# Altium PCB MPPT.PcbDoc (part 2 of 2)
Units mm, origin at the board's own origin, x right, y up, seen from the top; angles counter-clockwise.
Board outline 185.29 x 120.02 mm, 4 copper layers (Top, PWR_GND, GND, Bottom), stack 0.672 mm thick; 128 components, 72 nets, 445 pads, 162 vias.
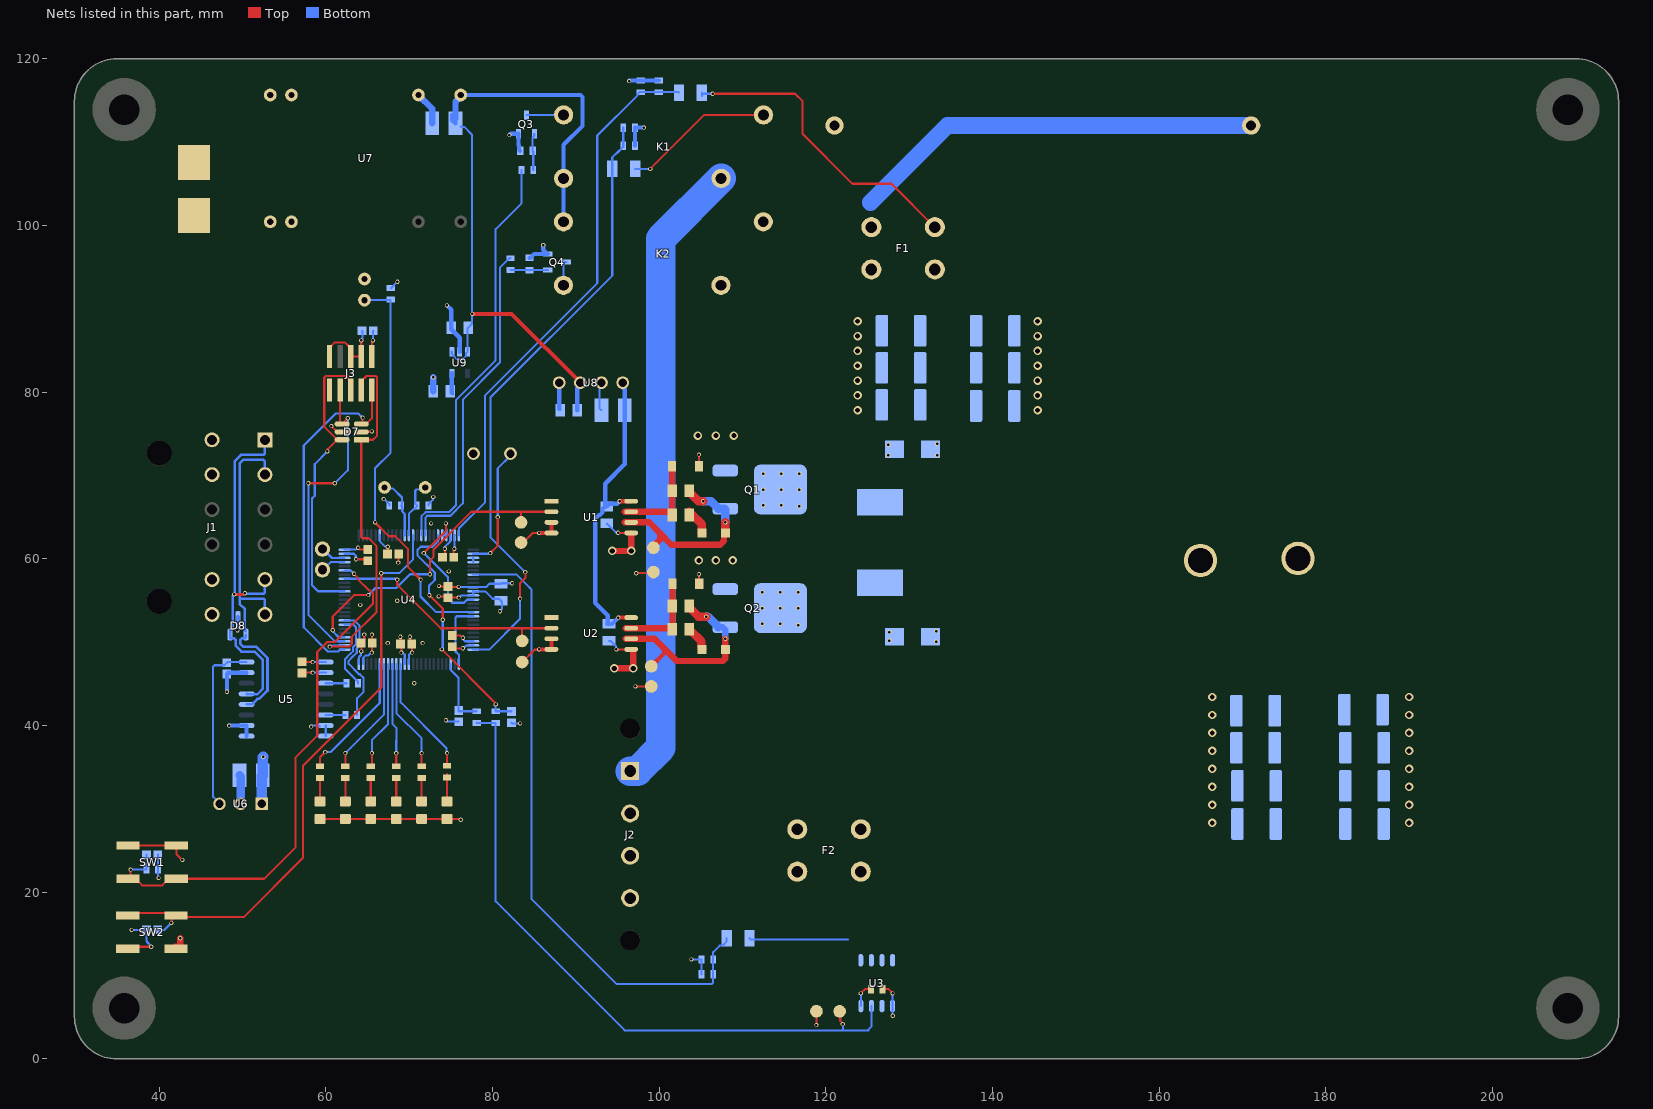
[diagram p4: the nets of this part, all layers, seen from the top]

## Via types
v1: diameter 0.5, hole 0.3, Top to Bottom, 122 vias
v2: diameter 1.016, hole 0.584, Top to Bottom, 36 vias
v3: diameter 1.016, hole 0.635, Top to Bottom, 4 vias

## Nets (pads, with @x,y where several pads share a name; then routed paths per layer and width w, separated by ;. In a path a pad name is that pad's centre, name@x,y a point inside that pad or via, vN(x,y) a via of type N, cw(c..) or ccw(c..) an arc to the next point about the centre after c; other vN are vias at no path point)
+3.3: C3.2 C18.2 C19.2 C20.2 C21.2 C22.2 C23.2 C24.1 C25.2 C32.2 C33.2 C40.2 D9.1 D10.1 D11.1 D12.1 D13.1 D14.1 J3.1 J4.1 SW1.2 SW1.3 U1.1 U2.1 U3.8 U4.6 U4.24 U4.36 U4.37 U4.49 U4.64 U4.75 U4.100 U5.1 U9.5 | length 65.2
  Top w0.254: SW1.3@36.278,25.622 SW1.2@42.078,25.622 42.078,24.597 v1(42.799,23.876) ; C33.2@57.15,47.665 57.19,47.625 v1(58.42,47.625) ; D10.1@59.309,28.795 D9.1@74.549,28.795 76.04,28.795 76.133,28.702 v1(76.2,28.702) ; v1(63.881,61.341) 63.929,61.341 64.143,61.127 C21.2@65.024,61.127 ; v1(64.268,48.895) 64.268,49.865 C18.2@64.222,49.911 64.614,50.303 v1(64.614,50.927) ; J3.1@65.532,84.304 65.532,86.039 65.659,86.166 v1(65.659,86.233) ; C22.2@67.397,60.579 67.437,60.619 v1(67.437,61.468) ; v1(68.961,50.673) C19.2@68.961,49.784 69.088,49.657 v1(69.088,48.768) ; v1(73.533,55.499) 74.509,55.499 C20.2@74.676,55.332 74.716,55.372 v1(75.946,55.372) ; C23.2@75.184,49.45 75.358,49.276 v1(76.454,49.276) ; C25.2@75.351,60.198 75.351,61.06 75.438,61.147 v1(75.438,61.214) ; v1(124.206,7.874) 124.714,8.382 C3.2@125.411,8.382
  Bottom w0.254: v1(58.42,47.625) U5.1@59.995,47.625 ; U4.100@62.252,61.118 63.591,61.118 63.814,61.341 v1(63.881,61.341) ; U4.75@63.977,47.393 63.986,47.402 63.986,48.231 64.221,48.466 64.221,48.848 v1(64.268,48.895) ; v1(65.659,86.233) 65.659,87.336 C32.2@65.699,87.376 ; U4.6@66.477,62.843 66.486,62.834 66.486,62.116 67.087,61.515 67.39,61.515 v1(67.437,61.468) ; v1(69.088,48.768) 69.135,48.721 69.255,48.721 69.477,48.499 U4.64@69.477,47.393 ; C40.2@75.123,79.944 C40.2@75.311,79.756 ; v1@75.468,61.1 75.468,62.834 U4.24@75.477,62.843 ; v1(75.946,55.372) 76.013,55.372 76.259,55.618 U4.37@77.702,55.618 U4.36@77.702,56.118 77.711,56.109 79.146,56.109 80.032,55.223 80.794,55.223 81.153,54.864 81.153,54.038 80.899,53.785 v1(80.899,53.721) ; v1(76.454,49.276) 76.521,49.276 76.854,49.609 77.693,49.609 U4.49@77.702,49.618 ; U3.8@124.206,6.35 v1(124.206,7.874)
  Bottom w0.508: C40.2@75.123,79.944 U9.5@75.123,82.311
+5: C37.1 C38.1 C41.2 K1.2 K2.1 U7.14 U8.2 U9.1 U9.3 | length 87.6
  Top w0.508: v1(77.597,89.408) 82.296,89.408 U8.2@90.551,81.153
  Bottom w0.254: U9.1@75.123,84.866 75.123,84.616 75.468,84.271 75.468,84.22 75.677,84.011 76.469,84.011 76.85,84.392 76.85,84.693 U9.3@77.023,84.866 77.023,87.691 C41.2@77.089,87.757 77.534,88.201 77.534,89.278 77.597,89.341 v1(77.597,89.408) ; C37.1@76.2,111.909 76.263,111.845 76.623,111.845 77.534,110.935 v1@77.534,89.408
  Bottom w0.508: U7.14@76.2,115.506 U7.14@76.2,115.677 90.571,115.677 90.805,115.443 90.805,111.962 88.542,109.699 K1.2@88.542,105.664 K2.1@88.542,99.695 ; C38.1@90.17,77.851 90.17,80.497 90.551,80.878 U8.2@90.551,81.153 ; C37.1@75.184,112.649 C37.1@75.565,112.268 75.565,112.903 75.184,113.284 C37.1@75.184,112.649
  Bottom w0.762: C37.1@75.565,112.903 75.565,114.871 U7.14@76.2,115.506
"+5 Car": C34.1 U5.16 U6.3 | length 21
  Bottom w0.254: U6.3@47.244,30.607 47.244,30.682 46.482,31.444 46.482,47.095 46.631,47.244 47.839,47.244 C34.1@48.133,47.538 48.22,47.625 U5.16@50.495,47.625
+15: C1.2 C2.2 C39.2 U1.8 U2.8 U8.4 | length 38
  Top w0.508: v1(95.123,52.959) U2.8@96.647,52.959 ; v1(95.25,66.929) U1.8@96.647,66.929
  Bottom w0.508: C2.2@93.789,52.197 94.361,52.197 v1(95.123,52.959) ; C2.2@93.98,52.197 93.833,52.344 93.833,53.233 92.329,54.737 92.329,64.809 92.785,65.265 92.92,65.265 93.218,65.563 93.218,65.977 C1.2@93.535,66.294 ; v1(95.25,66.929) 94.932,66.611 94.043,66.611 C1.2@93.726,66.294 C1.2@93.535,66.294 ; U8.4@95.377,81.153 95.377,80.878 95.885,80.37 C39.2@95.885,77.851 95.885,71.374 93.535,69.025 C1.2@93.535,66.294
+24: F3.2 J1.7 J1.12
Array+: F2.1 J2.3
Array_HAL_FAST: C29.2 R7.2 U4.53 | length 8.3
  Bottom w0.254: U4.53@74.977,47.393 74.977,46.806 75.022,46.76 75.022,46.74 75.022,46.63 75.946,45.706 C29.2@75.946,41.721 ; C29.2@75.946,41.823 76.048,41.721 R7.2@78.105,41.721
Array_HAL_REF: U3.6
Array_HAL_SLOW: C27.2 R5.2 U4.20 | length 29.5
  Top w0.254: v1(72.448,55.64) 74.041,54.046 v1(74.041,52.705) ; v1(73.914,49.149) 80.344,42.719 80.344,42.592 v1(80.391,42.545)
  Bottom w0.254: v1(72.448,55.64) 72.404,55.64 72.39,55.626 72.39,56.774 73.072,57.456 73.072,58.373 70.993,60.452 70.993,61.065 71.396,61.468 72.82,61.468 73.468,62.116 73.468,62.834 U4.20@73.477,62.843 ; v1(73.914,49.149) 74.041,49.276 v1(74.041,52.705) ; v1(80.391,42.545) R5.2@80.391,41.721 82.271,41.721 C27.2@82.296,41.696
Array_Measure: F2.2 R10A.2 U3.1 U3.2 | length 11.9
  Bottom w0.254: R10A.2@110.849,14.478 110.993,14.334 122.682,14.334
ARRAY_VOLTAGE_BUFFER_OUT: U4.28 U4.29 | length 0.5
  Bottom w0.254: U4.29@77.702,59.618 U4.28@77.702,60.118
AUX_SIDE_GATE: D1.2 Q1.1 R1.2 TP4.1 U1.6 | length 24.4
  Top w0.762: U1.6@95.885,64.389 U1.6@96.647,64.389 98.806,64.389 100.139,63.055 ; TP4.1@99.314,61.341 99.314,61.547 100.139,62.373 100.139,63.055 ; D1.2@107.956,63.119 107.787,62.95 107.787,62.168 107.341,61.722 101.473,61.722 100.139,63.055
  Top w1.016: R1.2@103.632,68.199 103.632,68.009 104.712,66.929 v1(105.283,66.929) ; D1.2@107.95,63.125 v1(107.95,64.389)
  Bottom w1.016: v1(105.283,66.929) 106.236,66.929 107.124,66.04 107.823,66.04 107.95,65.913 v1(107.95,64.389)
Bat+: J2.1 K1.3 K2.4 | length 76.2
  Bottom w3.556: J2.1@96.52,34.544 97.409,34.544 100.203,37.338 100.203,98.425 K1.3@107.442,105.664
BATT_VOLTAGE_BUFFER_OUT: U4.21 U4.22 U4.38 | length 16.7
  Top w0.254: v1(71.755,60.706) 74.422,63.373 v1(74.422,64.262)
  Bottom w0.254: v1(71.755,60.706) 74.676,57.785 74.676,55.245 75.184,54.737 76.581,54.737 76.953,55.109 77.693,55.109 U4.38@77.702,55.118 ; U4.21@73.977,62.843 U4.22@74.477,62.843 74.468,62.852 74.468,63.585 74.422,63.631 v1(74.422,64.262)
boost_output: C4.1 C5.1 C6.1 C7.1 C8.1 C9.1 D5.C D6.C F1.1 R10B.2 | length 37.4
  Top w0.254: v1(106.426,115.824) 116.31,115.824 117.221,114.913 117.221,110.998 123.19,105.029 127.889,105.029 F1.1@133.096,99.822
  Bottom w0.254: R10B.2@105.134,115.951 105.134,115.576 105.382,115.824 v1(106.426,115.824)
  other v1: 133.235,50.077 133.235,51.347 133.362,72.429 133.362,73.826
BOOT0: C26.2 R6.2 SW1.1 SW1.4 U4.95 | length 66.2
  Top w0.254: v1(36.576,22.733) 36.576,21.995 36.949,21.622 37.178,21.622 37.972,20.828 40.384,20.828 41.178,21.622 52.61,21.622 56.388,25.4 56.388,36.195 58.975,38.782 58.975,48.837 60.175,50.038 61.087,50.038 65.67,54.621 65.67,55.898 65.345,56.223 65.189,56.223 63.83,57.582 63.83,57.762 63.403,58.188 v1(63.403,58.227)
  Bottom w0.254: v1(36.576,22.733) R6.2@38.478,22.733 38.478,24.486 C26.2@38.503,24.511 ; U4.95@62.252,58.618 62.261,58.609 62.979,58.609 63.361,58.227 v1(63.403,58.227)
CAN_N: D8.1 J1.2 J1.6 U5.12 | length 42.8
  Bottom w0.305: D8.1@50.419,50.927 50.419,50.619 50.271,50.471 49.927,50.471 49.748,50.293 49.748,49.82 50.12,49.448 51.672,49.448 53.01,48.11 53.01,44.201 52.008,43.2 51.8,43.2 51.145,42.545 U5.12@50.495,42.545 ; D8.1@50.419,51.327 50.292,51.454 50.292,53.985 49.669,54.608 49.669,55.264 ; J1.6@52.7,53.34 52.7,55.066 52.521,55.245 49.688,55.245 49.669,55.264 ; J1.2@52.7,70.11 52.7,71.703 52.521,71.882 50.073,71.882 49.688,71.498 49.688,55.705 49.669,55.686 49.669,55.264
CAN_P: D8.2 J1.1 J1.5 U5.13 | length 43.6
  Top w0.381: v1(49.022,55.753) 50.133,55.753 50.26,55.88 v1(50.292,55.88)
  Bottom w0.305: v1(50.292,55.88) 50.329,55.843 50.467,55.843 50.506,55.804 52.521,55.804 52.7,55.982 J1.5@52.7,57.53 ; U5.13@50.495,43.815 50.551,43.759 51.777,43.759 52.451,44.433 52.451,47.879 51.441,48.889 49.889,48.889 49.19,49.588 49.19,50.293 49.011,50.471 48.575,50.471 48.519,50.527 D8.2@48.519,50.927 48.519,51.327 48.819,51.627 48.819,53.375 48.819,55.534 49.022,55.737 v1(49.022,55.753) 49.059,55.79 49.059,55.928 49.086,55.955 49.086,71.747 49.823,72.484 52.521,72.484 52.7,72.663 J1.1@52.7,74.3
CAN_RX: R8.1 U4.82 | length 9.4
  Bottom w0.254: U4.82@62.252,52.118 63.325,52.118 63.627,51.816 63.627,49.776 63.282,49.431 63.282,48.93 63.015,48.663 62.306,47.954 62.306,46.813 63.884,45.235 R8.1@63.884,45.085
CAN_TX: R9.1 U4.83 | length 14.5
  Bottom w0.254: U4.83@62.252,52.618 63.436,52.618 64.059,51.995 64.059,49.597 63.714,49.252 63.714,48.751 63.194,48.231 62.738,47.775 62.738,47.414 63.981,46.17 64.08,46.17 64.539,45.711 64.539,44.071 63.757,43.289 R9.1@63.757,41.275
CAR_GND: C34.2 C36.1 D8.3 J1.8 J1.11 U5.9 U5.10 U5.15 U6.2 U7.2 U7.3 | length 13.2
  Bottom w0.508: v1(48.133,44.069) C34.2@48.133,46.188 48.3,46.355 U5.15@50.495,46.355 ; v1(48.405,40.003) 48.408,40.005 U5.10@50.495,40.005 U5.9@50.495,38.735 ; v1(49.403,51.435) 49.469,51.501 D8.3@49.469,53.027
  Bottom w1.016: C36.1@49.657,34.036 49.818,33.875 49.818,30.573 U6.2@49.911,30.48
DEBUG: TP12.0 U4.27 | length 15.3
  Top w0.254: v1(79.756,60.706) 80.645,61.595 v1(80.645,65.024)
  Bottom w0.254: U4.27@77.693,60.609 U4.27@77.702,60.618 79.601,60.618 79.689,60.706 v1(79.756,60.706) ; v1(80.645,65.024) 80.645,70.866 82.169,72.39 TP12.0@82.169,72.898
GATE_HIGH: TP7.1 U1.2 U4.79 | length 37.7
  Top w0.254: v1(60.833,51.435) 60.833,53.086 63.416,55.669 v1(65.115,55.669) ; v1(72.506,58.155) 72.517,58.166 72.517,59.817 72.949,60.249 72.949,61.138 77.47,65.659 83.439,65.659 ; TP7.1@83.439,64.389 83.439,65.659 ; U1.2@87.086,65.659 83.439,65.659
  Bottom w0.254: v1(60.833,51.435) 60.88,51.388 60.88,51.272 61.525,50.627 62.243,50.627 U4.79@62.252,50.618 ; v1(65.115,55.669) 65.962,56.515 68.453,56.515 70.104,58.166 72.494,58.166 v1(72.506,58.155)
GATE_LOW: TP8.1 U2.2 U4.93 | length 29.1
  Top w0.254: v1(68.58,57.531) 68.58,56.896 73.787,51.689 83.566,51.689 ; TP8.1@83.566,50.165 83.566,51.689 ; U2.2@86.995,51.689 83.566,51.689
  Bottom w0.254: U4.93@62.252,57.618 68.426,57.618 68.513,57.531 v1(68.58,57.531)
GDriveAux: D2.2 R1.1 R2.1 U1.7 | length 11.3
  Top w0.762: U1.7@95.885,65.659 101.409,65.659 101.51,65.559 R2.1@101.51,65.532 ; R1.1@101.473,68.072 R1.1@101.555,68.154 ; R2.1@101.555,65.704 R1.1@101.555,68.154 ; D2.2@101.555,71.12 R1.1@101.555,68.154 ; R1.1@101.6,68.199 R1.1@101.555,68.154
GDriveLow: D4.2 R3.1 R4.1 U2.7 | length 11.1
  Top w0.762: U2.7@96.012,51.689 U2.7@96.647,51.689 101.473,51.689 R4.1@101.6,51.562 R3.1@101.6,54.356 D4.2@101.6,57.023
GND: C1.1 C2.1 C3.1 C4.2 C5.2 C6.2 C7.2 C8.2 C9.2 C10.2 C11.2 C12.2 C13.2 C14.2 C15.2 C16.2 C17.2 C18.1 C19.1 C20.1 C21.1 C22.1 C23.1 C24.2 C25.1 C26.1 C27.1 C28.1 C29.1 C30.1 C31.1 C32.1 C33.1 C35A.1 C35B.1 C35C.1 C37.2 C38.2 C39.1 C40.1 C41.1 D2.1 D4.1 D7.2 D7.5 J2.2 J2.4 J3.3 J3.5 J3.9 Q1.3 Q2.3 Q3.2 Q4.2 R6.1 R11A.1 R11B.1 R11C.1 R14.1 R16.1 R23.1 SW2.1 SW2.4 TP1.1 TP2.1 TP5.1 TP9.1 TP10.1 TP11.0 U1.3 U1.4 U1.5 U2.3 U2.4 U2.5 U3.5 U4.23 U4.35 U4.48 U4.63 U4.74 U4.99 U5.2 U5.7 U5.8 U7.16 U8.1 U8.3 U9.2 | length 136.4
  Top w0.254: SW2.4@36.183,13.462 v1(39.051,13.462) ; C33.1@57.15,46.315 57.19,46.355 v1(58.42,46.355) ; J3.9@60.452,84.304 60.452,85.359 61.082,85.989 62.291,85.989 62.723,85.557 62.794,85.557 62.992,85.359 J3.5@62.992,84.304 J3.3@64.262,84.304 v1(64.262,86.233) ; v1(60.679,75.936) 61.366,75.25 D7.5@61.96,75.25 ; v1(63.639,59.962) 64.839,59.962 C21.1@65.024,59.777 ; D7.2@64.262,75.25 64.293,75.28 65.501,75.28 v1(65.532,75.311) ; v1(65.532,48.768) 65.532,49.871 C18.1@65.572,49.911 65.532,49.951 v1(65.532,50.927) ; v1(68.707,59.563) 68.707,60.539 C22.1@68.747,60.579 ; v1(70.104,50.673) 70.104,49.991 C19.1@70.311,49.784 70.358,49.737 v1(70.358,48.768) ; v1(73.58,56.769) 73.646,56.769 73.733,56.682 C20.1@74.676,56.682 74.716,56.642 v1(75.946,56.642) ; C25.1@74.001,60.198 74.295,60.492 v1(74.295,61.214) ; C23.1@75.184,50.8 76.133,50.8 76.387,50.546 v1(76.454,50.546) ; TP1.1@83.566,47.625 85.043,49.102 85.551,49.102 v1(85.598,49.149) ; TP2.1@83.566,61.849 84.836,63.119 v1(85.598,63.119) ; v1(94.869,49.149) U2.5@96.647,49.149 96.749,49.149 U2.5@96.901,48.997 ; v1@95.094,63.129 U1.5@96.647,63.129 ; v1(97.155,44.704) TP10.1@99.06,44.704 ; v1(97.267,58.293) 99.187,58.293 TP9.1@99.314,58.42 ; v1(104.775,58.166) 104.775,57.068 D4.1@104.82,57.023 ; D2.1@104.775,71.12 v1(104.775,72.517) ; v1(118.872,4.064) 118.875,4.067 118.875,5.719 TP5.1@118.878,5.722 ; C3.1@126.811,8.382 127.542,8.382 128.016,7.908 v1(128.016,7.874)
  Top w0.508: v1(85.598,49.149) U2.4@87.086,49.149 U2.3@87.086,50.419 ; v1(85.598,63.119) U1.4@87.086,63.119 U1.3@87.086,64.389
  Top w0.762: SW2.1@41.951,13.494 42.426,13.494 42.545,13.613 v1(42.545,14.478) ; v3(94.361,60.96) v3(96.647,60.96) ; v3(94.615,46.863) v3(96.901,46.863) U2.5@96.901,48.997 ; v3@96.659,60.972 U1.5@96.659,63.029
  Bottom w0.254: v1(36.703,15.494) C28.1@38.503,15.494 38.503,14.137 38.543,14.097 38.543,14.037 39.051,13.529 v1(39.051,13.462) ; C26.1@39.853,24.511 39.878,24.486 R6.1@39.878,22.733 39.878,21.779 v1(39.94,21.717) ; v1(58.243,39.878) 58.31,39.878 58.437,40.005 59.185,40.005 59.292,39.898 U5.7@59.292,39.878 ; v1(58.42,46.355) U5.2@59.995,46.355 ; U5.8@59.995,38.735 U5.7@59.995,40.005 ; U4.99@62.252,60.618 63.358,60.618 63.592,60.384 63.592,60.009 v1(63.639,59.962) ; v1(64.262,86.233) 64.262,86.3 64.389,86.427 64.389,87.336 C32.1@64.349,87.376 ; U4.74@64.477,47.393 64.486,47.402 64.486,48.12 64.797,48.431 65.129,48.431 65.465,48.768 v1(65.532,48.768) ; v1(66.929,67.183) 66.976,67.136 67.061,67.136 67.626,66.571 C30.1@67.626,66.421 ; R23.1@67.818,92.521 67.858,92.521 v1(68.597,93.26) ; U4.63@69.977,47.393 69.977,48.499 70.199,48.721 70.311,48.721 v1(70.358,48.768) ; C31.1@72.328,66.421 72.328,66.571 72.851,67.094 72.851,67.39 v1(72.898,67.437) ; v1@74.18,61.353 74.64,61.813 74.665,61.813 74.968,62.116 74.968,62.834 U4.23@74.977,62.843 ; v1(74.422,40.64) 74.489,40.64 74.656,40.473 C29.1@75.946,40.473 ; v1(75.946,56.642) 75.961,56.627 77.693,56.627 U4.35@77.702,56.618 79.224,56.618 79.629,57.023 C24.2@81.026,57.023 81.086,57.083 v1(82.361,57.083) ; v1(76.454,50.546) 76.501,50.499 76.501,50.312 76.695,50.118 U4.48@77.702,50.118 ; C27.1@82.296,40.346 82.383,40.259 v1(83.312,40.259) ; C38.2@88.011,77.978 C38.2@88.138,77.851 ; U8.3@92.837,81.153 92.837,78.105 C39.1@93.091,77.851 ; C1.1@93.726,64.262 94.845,63.143 v1(95.079,63.143) ; C2.1@93.98,50.165 94.17,50.165 94.822,49.514 94.822,49.196 v1(94.869,49.149) ; v1(103.886,11.938) R11A.1@105.091,11.938 C35A.1@105.091,10.16 ; v1(128.016,7.874) 128.016,5.194 v1(128.031,5.179)
  Bottom w0.508: v1(74.546,90.424) 75.057,89.913 C41.1@75.057,87.757 75.057,87.566 76.073,86.551 U9.2@76.073,84.821 ; v1(82.042,110.871) 82.187,111.016 Q3.2@83.124,111.016 83.124,109.679 83.178,109.625 83.178,109.112 R14.1@83.324,108.966 ; R16.1@84.455,96.127 84.555,96.127 85.009,96.581 Q4.2@86.357,96.581 ; v1(86.106,97.663) 86.106,97.107 86.311,96.902 86.311,96.627 Q4.2@86.357,96.581 ; Q4.2@86.632,96.581 Q4.2@86.357,96.581 ; C38.2@88.011,77.978 U8.1@88.011,81.153 ; v1(96.393,117.348) 96.458,117.413 C35B.1@97.79,117.413 R11B.1@99.949,117.413 ; C35C.1@97.093,109.601 R11C.1@97.093,111.76 v1(98.171,111.76)
  Bottom w0.762: U7.16@71.12,115.677 72.771,114.026 C37.2@72.771,112.268 ; C40.1@72.898,80.137 v1(72.898,81.788)
  other v1: 70.612,45.085 67.437,49.911 71.628,49.911 64.135,54.483 68.58,54.991 74.751,58.495 72.644,64.262
  other v2: 166.37,28.321 189.992,28.321 166.37,30.48 189.992,30.48 166.37,32.639 189.992,32.639 166.37,34.798 189.992,34.798 166.37,36.957 189.992,36.957 166.37,39.116 189.992,39.116 166.37,41.275 189.992,41.275 166.37,43.434 189.992,43.434 104.775,59.817 106.807,59.817 108.839,59.817 104.648,74.803 106.807,74.803 108.966,74.803 123.825,77.851 145.415,77.851 123.825,79.629 145.415,79.629 123.825,81.407 145.415,81.407 123.825,83.185 145.415,83.185 123.825,84.963 145.415,84.963 123.825,86.741 145.415,86.741 123.825,88.519 145.415,88.519
HAL_OUTPUT: R5.1 R7.1 TP6.1 U3.7 | length 80.4
  Top w0.254: TP6.1@121.666,5.715 121.733,5.648 121.733,4.572 122.047,4.258 v1(122.047,4.191)
  Bottom w0.254: R7.1@78.105,40.321 R5.1@80.391,40.321 80.391,18.923 95.885,3.429 121.92,3.429 ; v1(122.047,4.191) 122.047,3.556 121.92,3.429 ; U3.7@125.476,6.35 125.476,3.877 125.095,3.496 125.095,3.429 121.92,3.429
IND0: R18.1 U4.70 | length 15.6
  Top w0.254: R18.1@59.309,35.117 59.309,36.195 v1(59.944,36.83)
  Bottom w0.254: v1(59.944,36.83) 60.593,36.83 66.477,42.714 U4.70@66.477,47.393
IND1: R19.1 U4.69 | length 14.2
  Top w0.254: R19.1@62.357,35.117 v1(62.357,36.703)
  Bottom w0.254: v1(62.357,36.703) 66.977,41.323 U4.69@66.977,47.393
IND2: R20.1 U4.68 | length 13.1
  Top w0.254: R20.1@65.405,35.117 65.532,35.244 v1(65.532,36.703)
  Bottom w0.254: v1(65.532,36.703) 65.532,38.227 67.477,40.172 U4.68@67.477,47.393
IND3: R21.1 U4.67 | length 12.5
  Top w0.254: R21.1@68.453,35.117 v1(68.453,36.703)
  Bottom w0.254: U4.67@67.977,47.393 67.977,46.806 68.022,46.76 68.022,40.182 68.504,39.7 68.504,38.26 68.453,38.209 v1(68.453,36.703)
IND4: R22.1 U4.66 | length 13.5
  Top w0.254: R22.1@71.501,35.117 v1(71.501,36.703)
  Bottom w0.254: U4.66@68.477,47.393 68.477,41.505 71.501,38.481 v1(71.501,36.703)
IND5: R17.1 U4.65 | length 14.5
  Top w0.254: R17.1@74.549,35.182 v1(74.549,36.703)
  Bottom w0.254: U4.65@68.977,47.393 68.977,42.783 74.502,37.258 74.502,36.75 v1(74.549,36.703)
inductor_input: C10.1 C11.1 C12.1 C13.1 C14.1 C15.1 C16.1 C17.1 L2.1 U3.3 U3.4
JTCK: D7.1 J3.4 U4.77 | length 44
  Top w0.254: v1(60.452,49.483) 60.48,49.511 62.846,49.511 63.119,49.784 63.119,50.646 66.102,53.629 66.102,61.53 65.148,62.484 64.411,62.484 64.262,62.633 D7.1@64.262,74.3 65.664,74.3 66.162,74.798 66.162,81.77 65.983,81.949 64.892,81.949 64.262,81.319 J3.4@64.262,80.264
  Bottom w0.254: v1(60.452,49.483) 60.519,49.483 60.653,49.618 U4.77@62.252,49.618
JTDI: D7.4 J3.8 U4.78 | length 38.2
  Top w0.254: v1(57.912,69.088) v1(61.087,69.088) ; J3.8@61.722,80.264 61.722,76.367 61.889,76.2 D7.4@61.96,76.2 62.637,76.877 v1(62.646,76.877)
  Bottom w0.254: v1(57.912,69.088) 57.912,53.289 61.083,50.118 U4.78@62.252,50.118 ; v1(61.087,69.088) 62.646,70.647 v1(62.646,76.877)
JTDO: D7.6 J3.6 U4.90 | length 36.2
  Top w0.254: v1(60.198,72.898) 60.245,72.945 60.245,73.179 D7.6@61.366,74.3 ; D7.6@61.96,74.3 61.6,74.3 D7.6@61.366,74.3 ; J3.6@62.992,80.264 62.992,81.319 62.362,81.949 60.001,81.949 59.822,81.77 59.822,75.844 D7.6@61.366,74.3
  Bottom w0.254: v1(60.198,72.898) 58.674,71.374 58.674,67.588 58.344,67.258 58.344,56.845 59.062,56.127 62.243,56.127 U4.90@62.252,56.118
JTMS: D7.3 J3.2 U4.76 | length 42.6
  Top w0.254: v1(64.409,76.955) 64.409,76.347 D7.3@64.262,76.2 64.856,76.2 65.532,76.876 J3.2@65.532,80.264
  Bottom w0.254: U4.76@62.252,49.118 61.689,49.118 61.668,49.097 61.668,49.058 61.505,48.895 60.256,48.895 57.357,51.793 57.357,73.613 61.176,77.432 63.932,77.432 v1(64.409,76.955)
LOW_SIDE_GATE: D3.2 Q2.1 R3.2 TP3.1 U2.6 | length 25
  Top w0.508: TP3.1@99.06,47.117 100.584,48.641 100.584,49.276
  Top w0.762: U2.6@96.012,50.419 U2.6@96.647,50.419 99.441,50.419 100.584,49.276 102.108,47.752 107.652,47.752 107.95,48.05 v1(107.95,50.419)
  Top w1.016: R3.2@103.632,54.356 103.632,54.165 104.712,53.086 v1(105.664,53.086)
  Bottom w0.762: Q2.1@107.124,51.816 107.632,51.816 107.95,51.498 v1(107.95,50.419)
  Bottom w1.016: v1(105.664,53.086) 105.855,53.086 Q2.1@107.124,51.816
NetC30_2: C30.2 U4.12 Y1.2 | length 7.3
  Bottom w0.254: Y1.2@67.056,68.58 67.161,68.475 68.05,68.475 69.153,67.372 C30.2@69.153,66.421 ; C30.2@69.026,66.421 69.18,66.267 69.18,65.694 69.477,65.397 U4.12@69.477,62.843
NetC31_2: C31.2 U4.13 Y1.1 | length 7.2
  Bottom w0.254: U4.13@69.977,62.843 69.977,65.427 70.598,66.048 70.705,66.048 70.928,66.271 C31.2@70.928,66.378 ; C31.2@70.928,66.421 70.739,66.61 70.739,68.188 70.888,68.337 71.693,68.337 Y1.1@71.936,68.58
NetC35A_2: C35A.2 R10A.1 R11A.2 U4.32 | length 77.1
  Bottom w0.254: U4.32@77.702,58.118 82.909,58.118 84.484,56.543 84.709,56.318 84.709,19.177 94.869,9.017 106.342,9.017 106.491,9.166 C35A.2@106.491,10.16 R11A.2@106.491,11.938 106.491,12.819 107.277,13.605 107.601,13.605 108.099,14.103 R10A.1@108.099,14.478
NetC35B_2: C35B.2 R10B.1 R11B.2 U4.25 | length 66.9
  Bottom w0.254: U4.25@75.977,62.843 75.978,62.844 75.978,63.659 79.121,66.802 79.121,79.629 92.583,93.091 92.583,110.806 97.417,115.64 97.417,115.79 97.64,116.013 C35B.2@97.79,116.013 R11B.2@99.949,116.013 102.322,116.013 R10B.1@102.384,115.951
NetC35C_2: C35C.2 R10C.1 R11C.2 U4.50 | length 74.7
  Top w0.254: v1(83.312,55.245) 83.312,57.083 83.947,57.718 v1(83.947,58.42)
  Bottom w0.254: U4.50@77.702,49.118 79.598,49.118 83.312,52.832 v1(83.312,55.245) ; v1(83.947,58.42) 79.756,62.611 79.756,79.375 94.383,94.002 R10C.1@94.383,106.807 94.383,108.188 94.903,108.708 94.95,108.708 95.693,109.451 C35C.2@95.693,109.601 R11C.2@95.693,111.76
NetC36_2: C36.2 F3.1 U6.1 U7.22 U7.23 | length 5.7
  Bottom w1.27: U6.1@52.324,30.607 52.324,33.909 C36.2@52.451,34.036 52.451,36.194 v1(52.499,36.242)
NetD1_1: D1.1 R2.2 | length 3.3
  Top w1.016: R2.2@103.632,65.659 103.632,65.468 103.696,65.405 103.886,65.405 105.114,64.177 105.114,63.161 D1.1@105.156,63.119
NetD3_1: D3.1 R4.2 | length 3.2
  Top w1.016: R4.2@103.632,51.562 103.632,51.371 103.696,51.308 103.886,51.308 105.072,50.122 105.072,49.614 105.114,49.573 105.114,49.191 D3.1@105.156,49.149
NetD6_A: D6.A L1.1 pad.10@112.522,66.421 pad.10@112.522,68.326 pad.10@112.522,70.231 pad.10@114.681,66.421 pad.10@114.681,68.326 pad.10@114.681,70.231 pad.10@116.84,66.294 pad.10@116.84,68.326 pad.10@116.84,70.231 Q1.2
  other v1: 127.52,72.429 127.52,73.699
NetD9_2: D9.2 R17.2 | length 3.3
  Top w0.254: D9.2@74.549,30.895 R17.2@74.549,33.782 74.549,34.163
NetD10_2: D10.2 R18.2 | length 2.8
  Top w0.254: D10.2@59.309,30.895 R18.2@59.309,33.717
NetD11_2: D11.2 R19.2 | length 2.8
  Top w0.254: D11.2@62.357,30.895 R19.2@62.357,33.717
NetD12_2: D12.2 R20.2 | length 2.9
  Top w0.254: D12.2@65.405,30.895 R20.2@65.405,33.717 R20.2@65.405,33.797
NetD13_2: D13.2 R21.2 | length 2.8
  Top w0.254: D13.2@68.453,30.895 R21.2@68.453,33.717
NetD14_2: D14.2 R22.2 | length 2.8
  Top w0.254: D14.2@71.501,30.895 R22.2@71.501,33.717
NetF1_2: F1.2 K2.3 R12.1 | length 49.5
  Bottom w2.032: 125.38,102.774 134.62,112.014 R12.1@171.05,112.014
NetJ3_10: J3.10
NetJ4_2: J4.2 R23.2 U4.41 | length 49.3
  Top w0.254: v1(65.913,64.389) 65.913,64.381 67.575,62.719 68.345,62.719 69.85,61.214 69.85,59.055 v1(71.374,57.531)
  Bottom w0.254: J4.2@64.643,91.059 64.674,91.09 67.787,91.09 67.787,72.74 65.913,70.866 v1(65.913,64.389) ; v1(71.374,57.531) 71.374,55.499 73.255,53.618 U4.41@77.702,53.618
NetJ5_1: J5.1 U4.97 | length 2.9
  Bottom w0.254: J5.1@59.69,58.704 60.604,59.618 U4.97@62.252,59.618
NetJ5_2: J5.2 U4.98 | length 3
  Bottom w0.254: J5.2@59.69,61.184 60.756,60.118 U4.98@62.252,60.118
NetK1_1: K1.1 Q3.3 | length 4.5
  Bottom w0.254: Q3.3@84.074,113.266 84.092,113.284 K1.1@88.542,113.284
NetK1_4: K1.4 R10C.2 R12.2 | length 18.1
  Top w0.254: v1(98.933,106.807) 105.41,113.284 K1.4@112.522,113.284
  Bottom w0.254: R10C.2@97.133,106.807 v1(98.933,106.807)
NetK2_2: K2.2 Q4.3 | length 3.8
  Bottom w0.254: K2.2@88.542,92.075 88.542,95.458 88.715,95.631 Q4.3@88.882,95.631
NetQ3_1: Q3.1 R13.2 R14.2 | length 4.5
  Bottom w0.254: R13.2@84.901,106.68 84.901,108.889 R14.2@84.824,108.966 84.824,110.541 85.024,110.741 Q3.1@85.024,111.016
NetQ4_1: Q4.1 R15.2 R16.2 | length 4.5
  Bottom w0.254: R15.2@82.169,94.677 84.405,94.677 R16.2@84.455,94.627 84.509,94.681 Q4.1@86.632,94.681
NetR8_2: R8.2 U5.3 | length 2.5
  Bottom w0.254: U5.3@59.995,45.085 R8.2@62.484,45.085
NetR9_2: R9.2 U5.6 | length 2.4
  Bottom w0.254: U5.6@59.995,41.275 R9.2@62.357,41.275
NetR13_1: R13.1 U4.16 | length 50.5
  Bottom w0.254: U4.16@71.477,62.843 71.477,65.103 71.991,65.616 74.785,65.616 75.641,66.472 75.641,79.083 80.391,83.833 80.391,99.568 83.501,102.678 R13.1@83.501,106.68
NetR15_1: R15.1 U4.17 | length 39.2
  Bottom w0.254: U4.17@71.977,62.843 71.977,64.992 72.169,65.184 74.963,65.184 76.454,66.675 76.454,79.121 80.899,83.566 80.899,94.957 82.019,96.077 R15.1@82.169,96.077
NRST: C28.2 SW2.2 SW2.3 U4.14 | length 73.1
  Top w0.254: SW2.3@36.151,17.494 SW2.2@41.844,17.494 ; v1(41.471,16.318) 41.471,17.121 SW2.2@41.844,17.494 ; SW2.2@41.673,17.018 50.165,17.018 57.277,24.13 57.277,35.202 66.657,44.581 v1(66.657,58.293) ; SW2.2@41.951,17.494 SW2.2@41.844,17.494
  Bottom w0.254: C28.2@39.853,15.494 40.648,15.494 v1(41.471,16.318) ; v1(66.657,58.293) 68.827,58.293 70.477,59.943 U4.14@70.477,62.843
PRECHARGE_BUFF_OUT: U4.42 U4.51 | length 7.9
  Bottom w0.254: U4.51@75.977,47.393 75.968,47.402 75.968,48.497 75.565,48.9 75.565,52.969 75.714,53.118 U4.42@77.702,53.118
VA: D5.A L1.2 L2.2 pad.10@112.395,52.197 pad.10@112.395,54.102 pad.10@112.395,56.007 pad.10@114.554,52.197 pad.10@114.554,54.102 pad.10@114.554,56.007 pad.10@116.713,52.07 pad.10@116.713,54.102 pad.10@116.713,56.007 Q2.2
  other v1: 127.647,50.204 127.647,51.22
pads on no net: J1. J1.3 J1.4 J1.9 J1.10 J2. J3.7 MECH1.1 MECH2.1 MECH3.1 MECH4.1 U4.1 U4.2 U4.3 U4.4 U4.5 U4.7 U4.8 U4.9 U4.10 U4.11 U4.15 U4.18 U4.19 U4.26 U4.30 U4.31 U4.33 U4.34 U4.39 U4.40 U4.43 U4.44 U4.45 U4.46 U4.47 U4.52 U4.54 U4.55 U4.56 U4.57 U4.58 U4.59 U4.60 U4.61 U4.62 U4.71 U4.72 U4.73 U4.80 U4.81 U4.84 U4.85 U4.86 U4.87 U4.88 U4.89 U4.91 U4.92 U4.94 U4.96 U5.4 U5.5 U5.11 U5.14 U7.9 U7.11 U9.4

## Polygon pours and split planes (outlines as drawn)
VA on Bottom "Bottom-VA" (solid, remove dead copper, pour order 116): 110.744,33.528 111.506,32.766 111.633,32.893 161.544,32.893 161.544,52.832 162.56,54.864 169.291,54.864 169.291,64.389 142.494,64.389 142.494,45.593 129.54,45.593 129.54,60.325 110.744,60.325 110.744,48.895
NetD6_A on Bottom "NETD6_A_L04_P099" (solid, remove dead copper, pour order 99): 129.794,63.754 110.871,63.754 110.871,74.676 129.794,74.676
GND on Bottom "GND_ARRAY_IN_CAPS_1" (solid, pour order 112): 170.942,44.577 170.942,25.781 164.973,25.781 164.973,44.577
inductor_input on Bottom "INDUCTOR_INPUT_L04_P115" (solid, remove dead copper, pour order 115): 129.413,16.764 184.15,16.764 184.15,64.262 172.212,64.262 172.212,24.257 126.365,24.257 126.365,10.16 129.413,10.16
Array+ on Bottom "ARRAY+_L04_P103" (solid, remove dead copper, pour order 103): 113.411,27.178 113.411,30.48 119.38,30.48 119.38,16.764 92.456,16.764 92.456,27.178
GND on Bottom "GND_ARRAY_IN_CAPS_2" (solid, pour order 113): 185.42,44.577 185.42,25.527 191.262,25.527 191.262,44.577
GND on Bottom "GND_BAT_OUT_CAPS_2" (solid, pour order 111): 146.685,75.438 146.685,90.043 141.224,90.043 141.224,75.438
GND on Bottom "GND_BAT_OUT_CAPS_1" (solid, pour order 110): 128.27,75.819 128.27,90.043 122.555,90.043 122.555,75.819
GND on Bottom "GND_L04_P109" (solid, pour order 109): 109.982,54.864 109.982,61.214 103.632,61.214 103.632,54.864
GND on Bottom "GND_L04_P108" (solid, pour order 108): 109.601,69.088 103.505,69.088 103.505,76.454 109.601,76.454
Bat+ on Bottom "BAT+_L04_P106" (solid, remove dead copper, pour order 106): 104.394,107.696 115.57,107.696 115.57,97.409 104.394,97.409
NetK1_4 on Bottom "NETK1_4_L04_P105" (solid, remove dead copper, pour order 105): 109.22,117.221 109.22,108.966 124.46,108.966 124.333,117.221
Array_Measure on Bottom "ARRAY_MEASURE_L04_P104" (solid, pour order 104): 126.111,10.16 126.111,14.605 126.111,30.099 121.92,30.099 121.92,10.16
NetF1_2 on Bottom "NETF1_2_L04_P102" (solid, remove dead copper, pour order 102): 128.143,90.805 128.143,103.632 117.602,103.632 117.348,103.378 117.348,96.012 104.14,96.012 104.14,90.805
boost_output on Bottom "BOOST_OUTPUT_L04_P098" (solid, remove dead copper, pour order 98): 129.667,104.013 129.667,76.331 130.487,76.331 130.487,70.135 130.614,52.355 130.614,48.545 137.191,48.545 139.7,51.054 139.7,104.013
+3.3 on Bottom "+3.3_L04_P048" (solid, remove dead copper, pour order 48): 90.551,8.382 129.032,8.382 129.032,1.905 128.905,2.032 40.386,2.032 40.386,10.795 31.623,10.795 31.623,27.813 55.499,27.813 55.499,92.583 58.674,92.583 58.674,117.983 90.678,117.983
CAR_GND on Bottom "CAR_GND_L04_P092" (solid, remove dead copper, pour order 92): 40.386,118.279 40.386,109.474 31.623,109.474 31.623,28.448 54.483,28.448 54.483,93.345 57.404,93.345 57.404,118.195
+3.3 on Top "+3.3_L01_P049" (solid, remove dead copper, pour order 49): 90.805,8.382 129.032,8.382 129.032,2.032 128.969,1.968 90.805,2.032 40.386,2.032 40.386,10.795 31.623,10.795 31.623,27.686 55.499,27.686 55.499,92.583 58.674,92.583 58.674,117.983 90.678,117.983 90.678,27.686 90.805,27.686
+24 on Top "+24_L01_P090" (solid, remove dead copper, pour order 90): 54.483,93.345 57.404,93.345 57.404,104.267 36.703,104.267 36.703,33.909 54.483,33.909
NetC36_2 on Top "NETC36_2_L01_P082" (solid, remove dead copper, pour order 82): 40.386,118.237 40.386,109.474 31.738,109.474 31.623,28.448 53.975,28.448 53.975,33.401 35.941,33.401 35.941,104.648 57.404,104.648 57.404,118.237
CAR_GND on GND (split plane): 57.402,118.235 57.402,93.347 55.118,93.347 55.018,93.339 54.921,93.316 54.829,93.278 54.744,93.225 54.668,93.16 54.603,93.084 54.55,92.999 54.512,92.907 54.489,92.81 54.481,92.71 54.481,28.45 31.625,28.45 31.625,114.935 31.625,115.151 31.682,115.58 31.794,115.998 31.959,116.398 32.175,116.772 32.439,117.115 32.745,117.421 33.088,117.685 33.462,117.901 33.862,118.066 34.28,118.178 34.709,118.235 34.925,118.235
GND on GND (split plane): 210.058,118.235 210.274,118.235 210.703,118.178 211.121,118.066 211.521,117.901 211.895,117.685 212.238,117.421 212.544,117.115 212.808,116.772 213.024,116.398 213.189,115.998 213.301,115.58 213.358,115.151 213.358,114.935 213.358,5.08 213.358,4.864 213.301,4.435 213.189,4.017 213.024,3.617 212.808,3.243 212.544,2.9 212.238,2.594 211.895,2.33 211.521,2.114 211.121,1.949 210.703,1.837 210.274,1.78 34.798,1.78 34.709,1.78 34.28,1.837 33.862,1.949 33.462,2.114 33.088,2.33 32.745,2.594 32.439,2.9 32.175,3.243 31.959,3.617 31.794,4.017 31.682,4.435 31.625,4.864 31.625,5.08 31.625,27.176 55.118,27.176 55.218,27.184 55.315,27.207 55.407,27.245 55.492,27.298 55.568,27.363 55.633,27.439 55.686,27.524 55.724,27.616 55.747,27.713 55.755,27.813 55.755,92.073 58.039,92.073 58.139,92.081 58.236,92.104 58.328,92.142 58.413,92.195 58.489,92.26 58.554,92.336 58.607,92.421 58.645,92.513 58.668,92.61 58.676,92.71 58.676,118.235
GND on PWR_GND (split plane): 57.402,118.235 57.402,93.347 55.118,93.347 55.018,93.339 54.921,93.316 54.829,93.278 54.744,93.225 54.668,93.16 54.603,93.084 54.55,92.999 54.512,92.907 54.489,92.81 54.481,92.71 54.481,28.45 31.625,28.45 31.625,114.935 31.625,115.151 31.682,115.58 31.794,115.998 31.959,116.398 32.175,116.772 32.439,117.115 32.745,117.421 33.088,117.685 33.462,117.901 33.862,118.066 34.28,118.178 34.709,118.235 34.925,118.235
GND on PWR_GND (split plane): 210.058,118.235 210.274,118.235 210.703,118.178 211.121,118.066 211.521,117.901 211.895,117.685 212.238,117.421 212.544,117.115 212.808,116.772 213.024,116.398 213.189,115.998 213.301,115.58 213.358,115.151 213.358,114.935 213.358,5.08 213.358,4.864 213.301,4.435 213.189,4.017 213.024,3.617 212.808,3.243 212.544,2.9 212.238,2.594 211.895,2.33 211.521,2.114 211.121,1.949 210.703,1.837 210.274,1.78 34.798,1.78 34.709,1.78 34.28,1.837 33.862,1.949 33.462,2.114 33.088,2.33 32.745,2.594 32.439,2.9 32.175,3.243 31.959,3.617 31.794,4.017 31.682,4.435 31.625,4.864 31.625,5.08 31.625,27.176 55.118,27.176 55.218,27.184 55.315,27.207 55.407,27.245 55.492,27.298 55.568,27.363 55.633,27.439 55.686,27.524 55.724,27.616 55.747,27.713 55.755,27.813 55.755,92.073 58.039,92.073 58.139,92.081 58.236,92.104 58.328,92.142 58.413,92.195 58.489,92.26 58.554,92.336 58.607,92.421 58.645,92.513 58.668,92.61 58.676,92.71 58.676,118.235

## Other copper
PWR_GND (plane layer: these items are gaps in the copper):
  lines w1.27: 29.972,32.512 29.972,27.813 55.118,27.813 55.118,92.71 58.039,92.71 58.039,119.761 ; 82.853,119.087 84.328,120.65 ; 84.328,0 90.424,0 ; 91.694,0 96.52,0 ; 91.694,14.224 91.694,87.376
GND (plane layer: these items are gaps in the copper):
  lines w1.27: 29.718,27.813 55.118,27.813 55.118,92.71 ; 66.294,119.888 58.039,119.888 58.039,92.71 55.118,92.71 ; 68.961,120.015 81.915,120.015 82.804,120.904 ; 85.852,0 97.79,0 ; 85.852,120.015 90.932,120.015 91.694,119.253 ; 91.694,14.224 91.694,87.376 ; 55.118,92.71 55.118,92.71

## Silkscreen, mask and mechanical layers (free items; w line width, h text height)
Top Overlay:
  drawing of 6 lines, arcs and shapes, not listed
  text "MPPT" at 32.385,107.696 h1.52 r270
  text "UMNSVP" at 34.798,107.696 h1.52 r270
  text "TEMP" at 70.104,90.678 h0.91 r90
  text "GND" at 73.025,72.263 h0.91
  text "DEBUG" at 84.201,72.263 h1.02
  text "UART" at 56.769,63.373 h0.91
  text "BATT+" at 102.235,33.909 h1.52
  text "BATT-" at 102.235,28.971 h1.52
  text "ARRAY+" at 102.235,23.876 h1.52
  text "BOOT" at 33.909,21.082 h1.52 r90
  text "ARRAY-" at 102.235,18.415 h1.52
  text "Temperature" at 71.958,17.652 h0.91 r90
  text "Input Voltage" at 59.639,16.281 h0.91 r90
  text "Input Current" at 62.687,16.281 h0.91 r90
  text "Output Voltage" at 65.735,15.367 h0.91 r90
  text "Output Current" at 68.783,15.367 h0.91 r90
  text "RESET" at 33.909,11.811 h1.52 r90
  text "MPPT REV 3.1" at 69.85,8.128 h1.52
  text "Maxim Erickson" at 69.85,5.715 h1.52
  text "HIGH VOLTAGE!!" at 132.969,3.81 h3
  text "FALL 2023" at 69.85,3.302 h1.52
Bottom Overlay:
  drawing of 8 lines, arcs and shapes, not listed
  text "5A" at 130.683,96.52 h1.52
  text "6A" at 121.92,24.003 h1.52
Mechanical 1:
  lines w0.254: 34.798,0 210.058,0 ccw(c210.058,5.08) 215.138,5.08 215.138,114.935 ccw(c210.058,114.935) 210.058,120.015 34.925,120.015 ccw(c34.925,114.935) 29.845,114.935 29.845,5.08 ccw(c34.925,5.08) 34.925,0
  lines w1.194: 29.845,5.08 ccw(c34.925,5.08) 34.925,0 ; 29.845,5.08 ccw(c34.925,5.08) 34.925,0 ; 29.845,5.08 ccw(c34.925,5.08) 34.925,0 ; 29.845,5.08 ccw(c34.925,5.08) 34.925,0 ; 29.845,5.08 ccw(c34.925,5.08) 34.925,0 ; 29.845,5.08 29.845,114.935 ; 29.845,5.08 29.845,114.935 ; 29.845,5.08 29.845,114.935 ; 29.845,5.08 29.845,114.935 ; 29.845,5.08 29.845,114.935 ; 29.845,114.935 cw(c34.925,114.935) 34.925,120.015 ; 29.845,114.935 cw(c34.925,114.935) 34.925,120.015 ; 29.845,114.935 cw(c34.925,114.935) 34.925,120.015 ; 29.845,114.935 cw(c34.925,114.935) 34.925,120.015 ; 29.845,114.935 cw(c34.925,114.935) 34.925,120.015 ; 34.798,0 210.058,0 ; 34.798,0 34.925,0 ; 34.798,0 210.058,0 ; 34.798,0 34.925,0 ; 34.798,0 210.058,0 ; 34.798,0 34.925,0 ; 34.798,0 210.058,0 ; 34.798,0 34.925,0 ; 34.798,0 210.058,0 ; 34.798,0 34.925,0 ; 34.925,120.015 210.058,120.015 ; 34.925,120.015 210.058,120.015 ; 34.925,120.015 210.058,120.015 ; 34.925,120.015 210.058,120.015 ; 34.925,120.015 210.058,120.015 ; 167.132,12.319 174.752,12.319 ; 167.132,12.319 174.752,12.319 ; 167.132,12.319 174.752,12.319 ; 167.132,12.319 174.752,12.319 ; 167.132,12.319 167.132,17.399 ; 167.132,12.319 174.752,12.319 ; 167.132,12.319 167.132,17.399 ; 167.132,12.319 167.132,17.399 ; 167.132,12.319 167.132,17.399 ; 167.132,12.319 167.132,17.399 ; 167.132,17.399 174.752,17.399 ; 167.132,17.399 174.752,17.399 ; 167.132,17.399 174.752,17.399 ; 167.132,17.399 174.752,17.399 ; 167.132,17.399 174.752,17.399 ; 167.386,98.806 167.386,103.886 ; 167.386,98.806 167.386,103.886 ; 167.386,98.806 167.386,103.886 ; 167.386,98.806 175.006,98.806 ; 167.386,98.806 167.386,103.886 ; 167.386,98.806 167.386,103.886 ; 167.386,98.806 175.006,98.806 ; 167.386,98.806 175.006,98.806 ; 167.386,98.806 175.006,98.806 ; 167.386,98.806 175.006,98.806 ; 167.386,103.886 175.006,103.886 ; 167.386,103.886 175.006,103.886 ; 167.386,103.886 175.006,103.886 ; 167.386,103.886 175.006,103.886 ; 167.386,103.886 175.006,103.886 ; 174.752,12.319 174.752,17.399 ; 174.752,12.319 174.752,17.399 ; 174.752,12.319 174.752,17.399 ; 174.752,12.319 174.752,17.399 ; 174.752,12.319 174.752,17.399 ; 175.006,98.806 175.006,103.886 ; 175.006,98.806 175.006,103.886 ; 175.006,98.806 175.006,103.886 ; 175.006,98.806 175.006,103.886 ; 175.006,98.806 175.006,103.886 ; 210.058,0 ccw(c210.058,5.08) 215.138,5.08 ; 210.058,0 ccw(c210.058,5.08) 215.138,5.08 ; 210.058,0 ccw(c210.058,5.08) 215.138,5.08 ; 210.058,0 ccw(c210.058,5.08) 215.138,5.08 ; 210.058,0 ccw(c210.058,5.08) 215.138,5.08 ; 210.058,120.015 cw(c210.058,114.935) 215.138,114.935 ; 210.058,120.015 cw(c210.058,114.935) 215.138,114.935 ; 210.058,120.015 cw(c210.058,114.935) 215.138,114.935 ; 210.058,120.015 cw(c210.058,114.935) 215.138,114.935 ; 210.058,120.015 cw(c210.058,114.935) 215.138,114.935 ; 215.138,5.08 215.138,114.935 ; 215.138,5.08 215.138,114.935 ; 215.138,5.08 215.138,114.935 ; 215.138,5.08 215.138,114.935 ; 215.138,5.08 215.138,114.935
  lines w1.2: 29.845,5.08 ccw(c34.925,5.08) 34.925,0 34.798,0 210.058,0 ccw(c210.058,5.08) 215.138,5.08 215.138,114.935 ccw(c210.058,114.935) 210.058,120.015 34.925,120.015 ccw(c34.925,114.935) 29.845,114.935 29.845,5.08 ; 167.132,12.319 174.752,12.319 174.752,17.399 167.132,17.399 167.132,12.319 ; 167.386,98.806 175.006,98.806 175.006,103.886 167.386,103.886 167.386,98.806